# Altium PCB PCB1.PcbDoc (part 1 of 2) (continued)
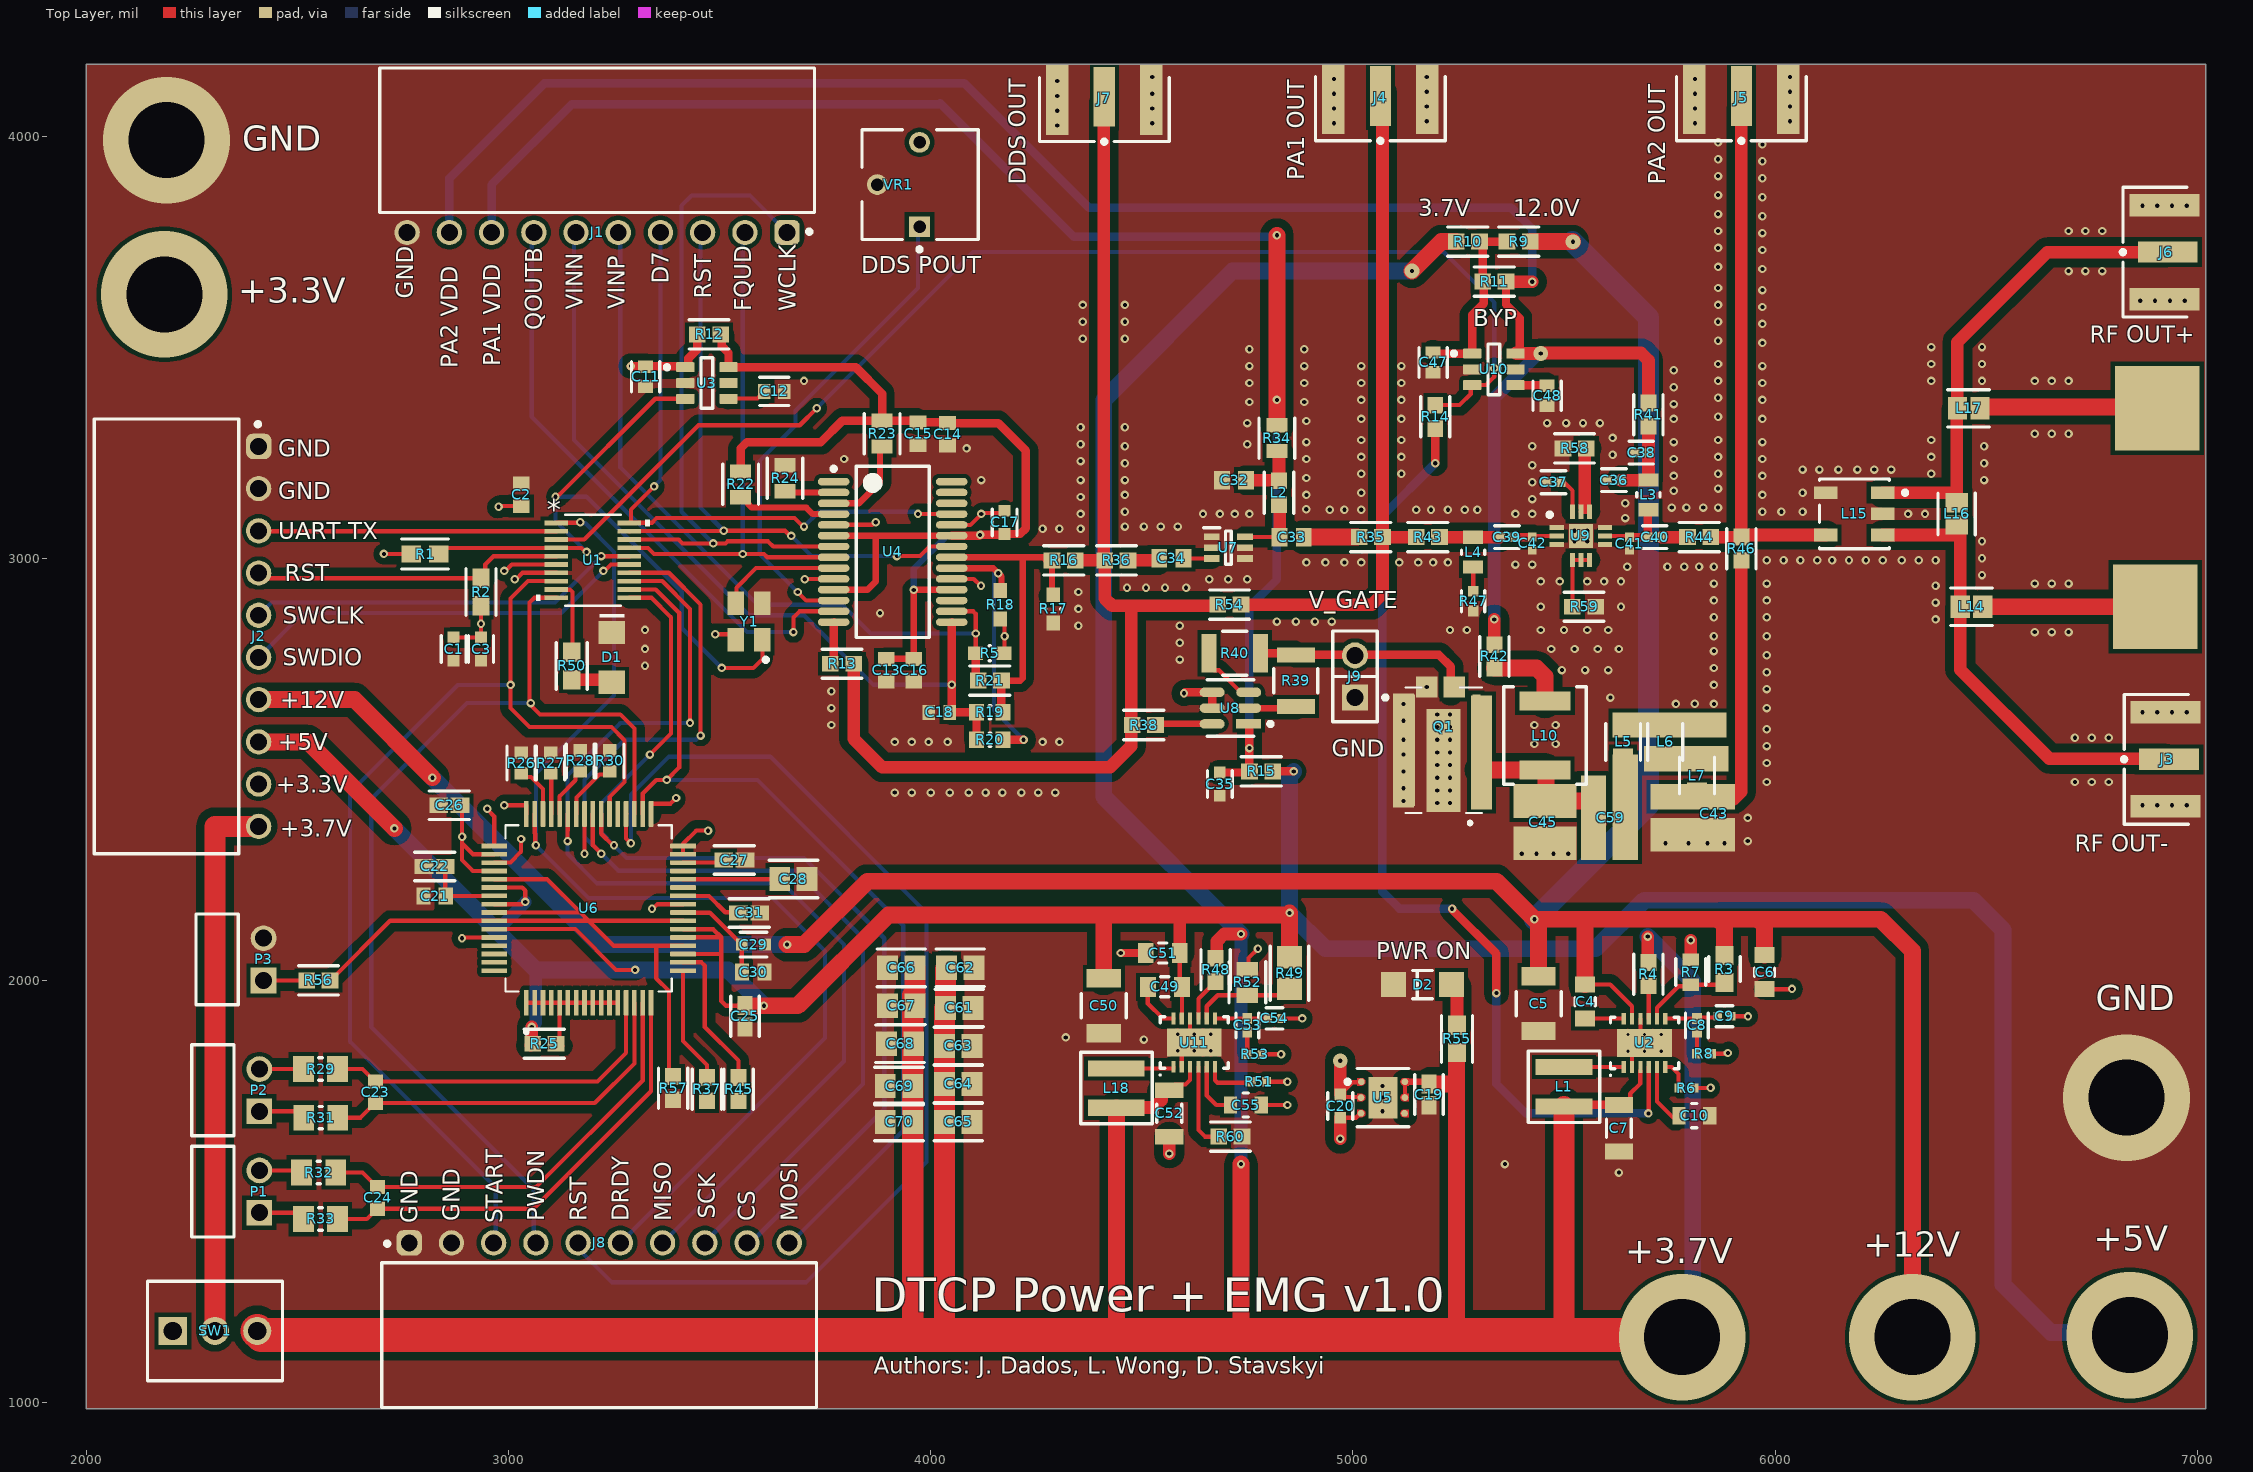
[diagram p0: Top Layer view]
## Components (designator, comment, footprint, x,y, rotation, side; value= is the part's Value field where it differs from the comment) (continued)
C65 "GRM21BR60J107ME15K" FP-GRM21B-0_2-e0_2_0_7-IPC_B 4065,1665 r0 top
C66 "GRM21BR60J107ME15K" FP-GRM21B-0_2-e0_2_0_7-IPC_B 3930,2030 r180 top
C67 "GRM21BR60J107ME15K" FP-GRM21B-0_2-e0_2_0_7-IPC_B 3930,1940 r180 top
C68 "GRM21BR60J107ME15K" FP-GRM21B-0_2-e0_2_0_7-IPC_B 3927.49,1850 r180 top
C69 "GRM21BR60J107ME15K" FP-GRM21B-0_2-e0_2_0_7-IPC_B 3925,1750 r180 top
C70 "GRM21BR60J107ME15K" FP-GRM21B-0_2-e0_2_0_7-IPC_B 3925,1665 r180 top
D1 "150120SS75000" WL-SMCW_1206_150120xx75000 3245,2765 r270 top
D2 "HSMG-C150" FP-HSMG-C150-MFG 5165,1990 r0 top
J1 "613010143121" 613010143121 3210,3990 r180 top
J2 "613010143121" 613010143121 2190,2815 r270 top
J3 "SMA-J-P-H-ST-EM1" FP-SMA-J-P-H-ST-EM1-MFG 7195.08,2523.78 r90 top
J4 "SMA-J-P-H-ST-EM1" FP-SMA-J-P-H-ST-EM1-MFG 5065,4357.2 r180 top
J5 "SMA-J-P-H-ST-EM1" FP-SMA-J-P-H-ST-EM1-MFG 5920,4357.2 r180 top
J6 "SMA-J-P-H-ST-EM1" FP-SMA-J-P-H-ST-EM1-MFG 7192.2,3725 r90 top
J7 "SMA-J-P-H-ST-EM1" FP-SMA-J-P-H-ST-EM1-MFG 4411.22,4355.08 r180 top
J8 "613010143121" 613010143121 3215,1160 r0 top
J9 "TSW-102-14-G-S" FP-TSW-102-14-G-S-MFG 5005,2720 r90 top
L1 "XAL4030-472MEC" FP-XAL4030-472MEC-MFG 5500,1748.35 r90 top
L2 "LQM18NNR82K00D" FP-LQM18NN_00-IPC_B 4825,3155 r90 top
L3 "0805LS-152XJEC" FP-LQW21HN_00-MFG 5700,3150 r90 top
L4 "LQW21HN1R5J00L" FP-LQW21HN_00-MFG 5285,3014.57 r90 top
L5 "LQW2BHN68NJ03L" FP-LQW2BHN_03-MFG 5640,2565 r90 top
L6 "LQW2BHN68NJ03L" FP-LQW2BHN_03-MFG 5740,2565 r270 top
L7 "LQW2BHN68NJ03L" FP-LQW2BHN_03-MFG 5815,2485 r270 top
L10 "1812PS-333_R_" FP-1812PS-MFG 5455,2580 r90 top
L14 "MLZ2012M1R0HTD25" FP-MLZ2012-1_25-IPC_C 6465,2885 r0 top
L15 "MABAES0060" FP-MABAES0060-MFG 6187.52,3105 r0 top
L16 "MLZ2012M1R0HTD25" FP-MLZ2012-1_25-IPC_C 6430,3105 r270 top
L17 "MLZ2012M1R0HTD25" FP-MLZ2012-1_25-IPC_C 6458.39,3355 r180 top
L18 "XAL4030-472MEC" FP-XAL4030-472MEC-MFG 4440,1745 r90 top
P1 "TSW-102-08-G-S-RA" SMTC-TSW-102-08-X-S-RA 2410,1450 r90 top
P2 "TSW-102-08-G-S-RA" SMTC-TSW-102-08-X-S-RA 2410,1690 r90 top
P3 "TSW-102-08-G-S-RA" SMTC-TSW-102-08-X-S-RA 2420,2000 r90 top
Q1 "GS61008P" TRANS_GS61008P 5215,2545 r270 top
R1 "ESR03EZPF3301" FP-ESR03-IPC_A 2802.44,3010 r0 top
R2 "ESR03EZPF3301" FP-ESR03-IPC_A 2935,2920 r270 top
R3 "CRCW06031M02FKEA" FP-CRCW0603-e3-IPC_A 5880,2027.1 r90 top
R4 "RMCF0603ZG0R00" FP-RMCF0603-IPC_B 5700,2015 r270 top
R5 "SR0603FR-7T100RL" FP-SR0603-MFG 4140,2775 r0 top value=100Ω
R6 "ERJ-2RKF5762X" RESC1005X40X25NL05T05 5790,1745 r180 top
R7 "CRCW0603113KFKEC" FP-CRCW0603-e3-MFG 5800,2019.53 r270 top
R8 "CRCW040286K6FKED" RESC1005X40X25NL05T05 5831.26,1826.26 r180 top
R9 "RMCF0603ZG0R00" FP-RMCF0603-IPC_B 5392.6,3750 r0 top
R10 "RMCF0603ZG0R00" FP-RMCF0603-IPC_B 5272.4,3750 r180 top
R11 "RMCF0603ZG0R00" FP-RMCF0603-IPC_B 5335,3655 r180 top
R12 "RMCF0603ZG0R00" FP-RMCF0603-IPC_B 3475,3530 r180 top
R13 "RMCF0603ZG0R00" FP-RMCF0603-IPC_B 3790,2750 r0 top
R14 "RMCF0603ZG0R00" FP-RMCF0603-IPC_B 5195,3335 r270 top
R15 "RMCF0603ZG0R00" FP-RMCF0603-IPC_B 4782.6,2495 r0 top
R16 "RMCF0603ZG0R00" FP-RMCF0603-IPC_B 4315,2995 r180 top
R17 "SR0603FR-7T100RL" FP-SR0603-MFG 4290,2880 r270 top value=100Ω
R18 "SR0603FR-7T100RL" FP-SR0603-MFG 4165,2890 r270 top value=100Ω
R19 "100K" RESC0603(1608)_N 4140,2635 r180 top value="100000.00 Ohm"
R20 "100K" RESC0603(1608)_N 4140,2570 r180 top value="100000.00 Ohm"
R21 "RMCF0603ZG0R00" FP-RMCF0603-IPC_B 4140,2710 r0 top
R22 "ESR10EZPJ820" FP-ESR10-IPC_C 3550,3175 r90 top
R23 "ESR10EZPJ820" FP-ESR10-IPC_C 3885,3295 r90 top
R24 "ESR10EZPJ820" FP-ESR10-IPC_C 3655,3189.41 r90 top
R25 "RMCF0603ZG0R00" FP-RMCF0603-IPC_B 3085,1850 r180 top
R26 "CRGCQ0603J10K" FP-CRGCQ0603-IPC_C 3030,2515 r90 top value=10KΩ
R27 "CRGCQ0603J10K" FP-CRGCQ0603-IPC_C 3100,2515 r90 top value=10KΩ
R28 "CRGCQ0603J10K" FP-CRGCQ0603-IPC_C 3170,2520 r90 top value=10KΩ
R29 "CRCW08055K00FKTA" RESC2013X50X30ML20T20 2555,1790 r0 top
R30 "CRGCQ0603J10K" FP-CRGCQ0603-IPC_C 3240,2520 r90 top value=10KΩ
R31 "CRCW08055K00FKTA" RESC2013X50X30ML20T20 2555.35,1675 r0 top
R32 "CRCW08055K00FKTA" RESC2013X50X30ML20T20 2550.35,1545 r0 top
R33 "CRCW08055K00FKTA" RESC2013X50X30ML20T20 2555,1435 r0 top
R34 "ESR10EZPJ240" FP-ESR10-IPC_C 4820,3284.41 r90 top
R35 "RMCF0603ZG0R00" FP-RMCF0603-IPC_B 5042.4,3050 r180 top
R36 "RMCF0603ZG0R00" FP-RMCF0603-IPC_B 4440,2995 r180 top
R37 "RMCF0603ZG0R00" FP-RMCF0603-IPC_B 3470,1742.4 r90 top
R38 "RMCF0603ZG0R00" FP-RMCF0603-IPC_B 4505,2605 r180 top
R39 "ESR25JZPF2R00" FP-ESR25-MFG 4865,2710 r90 top
R40 "ESR25JZPF2R00" FP-ESR25-MFG 4720,2775 r0 top
R41 "RMCF0603ZG0R00" FP-RMCF0603-IPC_B 5700,3340 r90 top
R42 "RMCF0603ZG0R00" FP-RMCF0603-IPC_B 5335,2767.4 r90 top
R43 "RMCF0603ZG0R00" FP-RMCF0603-IPC_B 5177.4,3050 r180 top
R44 "RMCF0603ZG0R00" FP-RMCF0603-IPC_B 5820,3050 r180 top
R45 "RMCF0603ZG0R00" FP-RMCF0603-IPC_B 3545,1742.4 r270 top
R46 "RMCF0603ZG0R00" FP-RMCF0603-IPC_B 5920,3022.6 r90 top
R47 "FCHP0402E50R0BBT1" FP-FC0402-MFG 5285,2898.5 r90 top
R48 "RMCF0603ZG0R00" FP-RMCF0603-IPC_B 4675,2025 r270 top
R49 "TFCR0805-10W-E-4222BT-1K" FP-TFCR0805-IPC_A 4850,2017.45 r90 top
R50 "CRCW0603220RFKEAHP" FP-CRCW0603-HPe3-IPC_A 3150,2745 r90 top
R51 "ERJ-2RKF5762X" RESC1005X40X25NL05T05 4777.28,1760 r180 top
R52 "CRGP0805F10K" FP-CRGP0805-IPC_C 4750,1995.55 r270 top value=10KΩ
R53 "CRCW040286K6FKED" RESC1005X40X25NL05T05 4767.28,1825 r180 top
R54 "RMCF0603ZG0R00" FP-RMCF0603-IPC_B 4707.6,2890 r180 top
R55 "CRCW0603220RFKEAHP" FP-CRCW0603-HPe3-IPC_A 5246.55,1861.62 r270 top
R56 "RMCF0603ZG0R00" FP-RMCF0603-IPC_B 2550,2000 r180 top
R57 "RMCF0603ZG0R00" FP-RMCF0603-IPC_B 3390,1745 r90 top
R58 "RMCF0603ZG0R00" FP-RMCF0603-IPC_B 5525,3260 r0 top
R59 "RMCF0603ZG0R00" FP-RMCF0603-IPC_B 5547.4,2885 r180 top
R60 "RMCF0603ZG0R00" FP-RMCF0603-IPC_B 4710,1630 r180 top
SW1 "TT11AGPC104" FP-TT11AGPC104-MFG 2305,1170 r0 top
U1 "MSPM0C1104SDGS20R" DGS0020A_TEX 3200,2995 r0 top
U2 "LTC3122EDE#PBF" LT-DE-UE-12_V 5690.79,1852.09 r90 top
U3 "TPS22810TDBVRQ1" FP-DBV0006A-MFG 3470,3415 r0 top
U4 "AD9850BRSZ-REEL" ADI-RS-28_N 3910,3015 r0 top
U5 "LD39200PU33R" FP-DFN6-7946637-MFG 5071.18,1722.6 r0 top
U6 "ADS1299-4PAG" QFP50P1200X1200X120-64N 3190,2170.79 r90 top
U7 "TQP369184" SOT65P210X110-6N 4705,3025 r0 top
U8 "UCC27511ADBVR" FP-DBV0006A-IPC_B 4710,2645 r180 top
U9 "PMA3-43-1W+" QFN51P300X300X89-13N 5539.92,3052.91 r0 top
U10 "TPS22810TDBVRQ1" FP-DBV0006A-MFG 5333.82,3447.4 r0 top
U11 "LTC3122EDE#PBF" LT-DE-UE-12_V 4624.21,1852.91 r90 top
VR1 "3362P-1-103LF" BOUR-3362P 3975,3885 r90 top
Y1 "830207044109" WE-SPXO_CFPS-39 3570,2850 r90 top

## Footprints (in the part's own frame and the unit in brackets; to place one, negate y for a bottom-side part, rotate by r counter-clockwise, add the part's x,y. Pads: shape width x height; smd on the part's side, far side on the other; paste and mask are expansions set on the pad)
613010143121 [mm] "Socket Header, Pitch 2.54 mm, THT, Angled, single row, 10p"
  rrect50% 1.52x1.52 hole 1.02: 1(-11.43,5.55)
  round 1.52 hole 1.02: 2(-8.89,5.55) 3(-6.35,5.55) 4(-3.81,5.55) 5(-1.27,5.55) 6(1.27,5.55) 7(3.81,5.55) 8(6.35,5.55) 9(8.89,5.55) 10(11.43,5.55)
  silkscreen extent -13.08,-4.35 13.08,5.62, body extent -12.95,-4.25 12.95,5.75, height 2.55
ADI-RS-28_N [mm] "SOP, 28-Leads, Body 10.2x5.3mm, Pitch 0.65mm, IPC Medium Density"
  oval 1.9x0.45 smd: 1(-3.55,4.225) 2(-3.55,3.575) 3(-3.55,2.925) 4(-3.55,2.275) 5(-3.55,1.625) 6(-3.55,0.975) 7(-3.55,0.325) 8(-3.55,-0.325) 9(-3.55,-0.975) 10(-3.55,-1.625) 11(-3.55,-2.275) 12(-3.55,-2.925) 13(-3.55,-3.575) 14(-3.55,-4.225) 15(3.55,-4.225) 16(3.55,-3.575) 17(3.55,-2.925) 18(3.55,-2.275) 19(3.55,-1.625) 20(3.55,-0.975) 21(3.55,-0.325) 22(3.55,0.325) 23(3.55,0.975) 24(3.55,1.625) 25(3.55,2.275) 26(3.55,2.925) 27(3.55,3.575) 28(3.55,4.225)
  silkscreen extent -3.67,-5.15 2.2,5.15, body extent -2.69,-5.17 2.69,5.17, height 1.98
BOUR-3362P [mm] "THD, 3-Leads, Body 6.6x6.99mm, Pitch 2.54mm"
  rect 1.25x1.25 hole 0.75: 1(-2.54,0.035)
  round 1.25 hole 0.75: 2(0,2.575) 3(2.54,0.035)
  silkscreen extent -4.02,-3.49 3.3,3.5, body extent -3.3,-3.49 3.3,3.49, height 4.95
CAPC1005X55X25LL05T10 [mm] "Chip Capacitor, 2-Leads, Body 1.00x0.50mm, IPC High Density"
  rect 0.56x0.52 smd: 1(-0.39,0) 2(0.39,0)
  body extent -0.53,-0.28 0.53,0.28, height 0.55
CAPC1206(3216)190_L [mm] "Chip Capacitor, Body 3.2x1.6mm, Height 1.9mm, IPC High Density"
  rect 0.95x1.7 smd: 1(-1.4,0) 2(1.4,0)
  silkscreen extent -0.55,-0.75 0.55,0.75, body extent -1.7,-0.9 1.7,0.9, height 1.9
CAPC1608X90X35LL15T15 [mm] "Chip Capacitor, 2-Leads, Body 1.60x0.81mm, IPC High Density"
  rect 0.85x0.9 smd: 1(-0.65,0) 2(0.65,0)
  body extent -0.88,-0.48 0.87,0.48, height 0.9
CAPC1608X92X38LL15T08 [mm] "Chip Capacitor, 2-Leads, Body 1.60x0.80mm, IPC High Density"
  rect 0.75x0.9 smd: 1(-0.625,0) 2(0.625,0)
  body extent -0.87,-0.48 0.87,0.48, height 0.92
CAPC1608X92X38ML15T08 [mm] "Chip Capacitor, 2-Leads, Body 1.60x0.80mm, IPC Low Density"
  rect 0.95x1.1 smd: 1(-0.725,0) 2(0.725,0)
  body extent -0.87,-0.48 0.87,0.47, height 0.92
CAPC1608X92X38NL15T08 [mm] "Chip Capacitor, 2-Leads, Body 1.60x0.80mm, IPC Medium Density"
  rect 0.85x1 smd: 1(-0.675,0) 2(0.675,0)
  body extent -0.87,-0.48 0.87,0.47, height 0.92
DGS0020A_TEX [mil]
  rect 56x11 smd paste+0 mask+0: 1(-86.5,88.58) 2(-86.5,68.9) 3(-86.5,49.21) 4(-86.5,29.53) 5(-86.5,9.84) 6(-86.5,-9.84) 7(-86.5,-29.53) 8(-86.5,-49.21) 9(-86.5,-68.9) 10(-86.5,-88.58) 11(86.5,-88.58) 12(86.5,-68.9) 13(86.5,-49.21) 14(86.5,-29.53) 15(86.5,-9.84) 16(86.5,9.84) 17(86.5,29.53) 18(86.5,49.21) 19(86.5,68.9) 20(86.5,88.58)
  silkscreen extent -134,-108 134,108, body extent -101,-103 101,103, height 43
FP-1812PS-MFG [mm]
  rect 1.14x3.05 smd paste+0 mask+0: 1(-2.07,0) 2(2.07,0)
  silkscreen extent -2.94,-2.49 2.94,2.49, body extent -3.04,-2.59 3.04,2.59, height 0.25
FP-C0402-BB-MFG [mm]
  rect 0.52x0.52 smd paste+0 mask+0: 1(-0.4,0) 2(0.4,0)
  silkscreen extent -0.5,-0.64 0.5,0.64, body extent -0.8,-0.4 0.8,0.4, height 0.25
FP-C0603C106M8PACTU-MFG [mm]
  rect 0.75x0.9 smd paste+0 mask+0: 1(-0.6,0) 2(0.6,0)
  silkscreen extent -0.9,-0.85 0.9,0.85, body extent -1.2,-0.6 1.2,0.6, height 0.25
FP-C0603C-CF-MFG [mm]
  rect 0.75x0.9 smd paste+0 mask+0: 1(-0.6,0) 2(0.6,0)
  silkscreen extent -0.87,-0.85 0.88,0.85, body extent -1.2,-0.6 1.2,0.6, height 0.25
FP-C1005-050-0_05-IPC_B [mil]
  rect 25.17x22.54 smd paste+0 mask+0: 1(-16.4,0) 2(16.4,0)
  silkscreen extent -29,-27 29,27, body extent -35,-17 35,17, height 10
FP-C1608-080-0_1-IPC_B [mil]
  rect 44.53x35.91 smd paste+0 mask+0: 1(-25.22,0) 2(25.22,0)
  silkscreen extent -47,-34 47,34, body extent -57,-28 57,28, height 10
FP-C1608-080-0_1-MFG [mm]
  rect 0.7x0.7 smd paste+0 mask+0: 1(-0.7,0) 2(0.7,0)
  silkscreen extent -0.8,-0.75 0.8,0.75, body extent -1.15,-0.55 1.15,0.55, height 0.25
FP-C2012-125-0_2-MFG [mm]
  rect 0.8x1.05 smd paste+0 mask+0: 1(-0.925,0) 2(0.925,0)
  silkscreen extent -0.15,-0.72 0.15,0.72, body extent -1.43,-0.82 1.43,0.82, height 0.25
FP-CGA3E-0_3-0_1-IPC_A [mm]
  rect 0.956x1.206 smd paste+0 mask+0: 1(-1.025,0) 2(1.025,0)
  silkscreen extent -0.25,-0.6 0.25,0.6, body extent -2,-1.1 2,1.1, height 0.25
FP-CRCW0603-e3-IPC_A [mil]
  rect 44.69x41.82 smd paste+0 mask+0: 1(-32.1,0) 2(32.1,0)
  silkscreen extent -30,-37 30,37, body extent -74,-41 74,41, height 10
FP-CRCW0603-e3-MFG [mm]
  rect 0.75x1 smd paste+0 mask+0: 1(-0.75,0) 2(0.75,0)
  silkscreen extent -0.8,-0.9 0.8,0.9, body extent -1.22,-0.6 1.22,0.6, height 0.25
FP-CRCW0603-HPe3-IPC_A [mil]
  rect 45.6x41.82 smd paste+0 mask+0: 1(-32.56,0) 2(32.56,0)
  silkscreen extent -55,-37 55,37, body extent -75,-41 75,41, height 10
FP-CRGCQ0603-IPC_C [mil]
  rect 29.85x31.97 smd paste+0 mask+0: 1(-24.68,0) 2(24.68,0)
  silkscreen extent -40,-33 40,33, body extent -44,-22 44,22, height 10
FP-CRGP0805-IPC_C [mil]
  rect 35.67x51.57 smd paste+0 mask+0: 1(-30.55,0) 2(30.55,0)
  silkscreen extent -48,-43 48,43, body extent -52,-31 52,31, height 10
FP-DBV0006A-IPC_B [mm]
  rect 1.505x0.57 smd paste+0 mask+0: 1(-1.1,0.95)
  rrect100% 1.505x0.57 smd paste+0 mask+0: 2(-1.1,0) 3(-1.1,-0.95) 4(1.1,-0.95) 5(1.1,0) 6(1.1,0.95)
  silkscreen extent -2.53,-1.7 1.4,1.7, body extent -2.1,-1.7 2.1,1.7, height 0.25
FP-DBV0006A-MFG [mm]
  rrect17% 1.1x0.6 smd paste+0 mask+0: 1(-1.3,0.95) 2(-1.3,0) 3(-1.3,-0.95) 4(1.3,-0.95) 5(1.3,0) 6(1.3,0.95)
  silkscreen extent -2.52,-1.53 0.35,1.53, body extent -1.95,-1.78 1.95,1.78, height 0.25
FP-DFN6-7946637-MFG [mm]
  round 0.405 smd paste+0 mask+0: 1(-1.3,0.95) 2(-1.321,0) 3(-1.321,-0.95) 4(1.3,-0.95) 5(1.321,0) 6(1.321,0.95)
  rect 1.75x2.5 smd paste+0 mask+0: 7(0,0)
  Top Layer region: 1.55,0.725 1.275,0.725 1.189,0.742 1.116,0.791 1.067,0.864 1.05,0.95 1.05,0.95 1.067,1.036 1.116,1.109 1.189,1.158 1.275,1.175 1.275,1.175 1.55,1.175
  Top Layer region: 1.55,-0.225 1.275,-0.225 1.189,-0.208 1.116,-0.159 1.067,-0.086 1.05,0 1.05,0 1.067,0.086 1.116,0.159 1.189,0.208 1.275,0.225 1.275,0.225 1.55,0.225
  Top Layer region: 1.55,-1.175 1.275,-1.175 1.189,-1.158 1.116,-1.109 1.067,-1.036 1.05,-0.95 1.05,-0.95 1.067,-0.864 1.116,-0.791 1.189,-0.742 1.275,-0.725 1.275,-0.725 1.55,-0.725
  Top Layer region: -1.55,-0.725 -1.275,-0.725 -1.189,-0.742 -1.116,-0.791 -1.067,-0.864 -1.05,-0.95 -1.05,-0.95 -1.067,-1.036 -1.116,-1.109 -1.189,-1.158 -1.275,-1.175 -1.275,-1.175 -1.55,-1.175
  Top Layer region: -1.55,0.225 -1.275,0.225 -1.189,0.208 -1.116,0.159 -1.067,0.086 -1.05,0 -1.05,0 -1.067,-0.086 -1.116,-0.159 -1.189,-0.208 -1.275,-0.225 -1.275,-0.225 -1.55,-0.225
  Top Layer region: -1.55,1.175 -1.275,1.175 -1.189,1.158 -1.116,1.109 -1.067,1.036 -1.05,0.95 -1.05,0.95 -1.067,0.864 -1.116,0.791 -1.189,0.742 -1.275,0.725 -1.275,0.725 -1.55,0.725
  silkscreen extent -2.25,-1.75 1.55,1.75, body extent -1.65,-1.65 1.65,1.65, height 0.25
FP-ESR03-IPC_A [mil]
  rect 45.6x39.85 smd paste+0 mask+0: 1(-32.56,0) 2(32.56,0)
  silkscreen extent -55,-36 55,36, body extent -75,-40 75,40, height 10
FP-ESR10-IPC_C [mil]
  rect 33.79x49.69 smd paste+0 mask+0: 1(-30.59,0) 2(30.59,0)
  silkscreen extent -47,-42 47,42, body extent -51,-31 51,31, height 10
FP-ESR25-MFG [mm]
  rect 0.9x2.3 smd paste+0 mask+0: 1(-1.55,0) 2(1.55,0)
  silkscreen extent -0.72,-1.33 0.72,1.33, body extent -2.1,-1.43 2.1,1.43, height 0.25
FP-FC0402-MFG [mm]
  rect 0.635x0.61 smd paste+0 mask+0: 1(-0.597,0) 2(0.597,0)
  silkscreen extent -0.64,-0.7 0.64,0.7, body extent -1.01,-0.44 1.01,0.44, height 0.25
FP-GRM21B-0_2-e0_2_0_7-IPC_B [mil]
  rect 49.4x57.33 smd paste+0 mask+0: 1(-32.51,0) 2(32.51,0)
  silkscreen extent -57,-44 57,44, body extent -67,-39 67,39, height 10
FP-GRM32-MFG [mm]
  rect 1.1x2.05 smd paste+0 mask+0: 1(-1.65,0) 2(1.65,0)
  silkscreen extent -0.72,-1.35 0.72,1.35, body extent -2.3,-1.45 2.3,1.45, height 0.25
FP-GRM155-0_05-IPC_B [mil]
  rect 24.23x22.54 smd paste+0 mask+0: 1(-16.87,0) 2(16.87,0)
  silkscreen extent -29,-27 29,27, body extent -35,-17 35,17, height 10
FP-HSMG-C150-MFG [mm]
  rect 1.5x1.5 smd paste+0 mask+0: 1(-1.75,0) 2(1.75,0)
  silkscreen extent -0.6,-0.85 0.6,0.85, body extent -2.6,-0.95 2.6,0.95, height 0.25
FP-LQM18NN_00-IPC_B [mil]
  rect 39.63x37.73 smd paste+0 mask+0: 1(-28.58,0) 2(28.58,0)
  silkscreen extent -48,-35 48,35, body extent -58,-29 58,29, height 10
FP-LQW2BHN_03-MFG [mm]
  rect 1.1x1.2 smd paste+0 mask+0: 1(-0.95,0) 2(0.95,0)
  silkscreen extent -1.1,-1.05 1.1,1.05, body extent -1.6,-0.95 1.6,0.95, height 0.25
FP-LQW21HN_00-MFG [mm]
  rect 0.8x1.2 smd paste+0 mask+0: 1(-0.9,0) 2(0.9,0)
  silkscreen extent -0.13,-0.7 0.13,0.7, body extent -1.4,-0.8 1.4,0.8, height 0.25
FP-MABAES0060-MFG [mm]
  rect 1.4x0.76 smd paste+0 mask+0: 1(1.715,1.27) 2(1.715,0) 3(1.715,-1.27) 4(-1.715,-1.27) 5(-1.715,1.27)
  silkscreen extent -2.09,-2.09 3.18,2.09, body extent -2.51,-2.19 2.51,2.19, height 0.25
FP-MLZ2012-1_25-IPC_C [mil]
  rect 45.45x53.39 smd paste+0 mask+0: 1(-26.61,0) 2(26.61,0)
  silkscreen extent -49,-44 49,44, body extent -53,-32 53,32, height 10
FP-RMCF0603-IPC_B [mil]
  rect 39.61x37.73 smd paste+0 mask+0: 1(-27.6,0) 2(27.6,0)
  silkscreen extent -47,-35 47,35, body extent -57,-29 57,29, height 10
FP-SMA-J-P-H-ST-EM1-MFG [mm]
  rect 1.27x3.6 smd paste+0 mask+0: 1(0,6.66)
  rect 1.35x4.2 smd paste+0 mask+0: 2(-2.825,6.86) 3(2.825,6.86)
  rect 1.35x4.2 smd far side paste+0 mask+0: 4(-2.825,6.86) 5(2.825,6.86)
  silkscreen extent -3.9,5.5 3.9,9.48, body extent -3.6,-4.92 3.6,9.06, height 0.25
FP-SR0603-MFG [mm]
  rect 0.9x0.8 smd paste+0 mask+0: 1(-0.85,0) 2(0.85,0)
  silkscreen extent -0.03,-0.45 0.03,0.45, body extent -1.4,-0.55 1.4,0.55, height 0.25
FP-TFCR0805-IPC_A [mil]
  rect 53.38x59.38 smd paste+0 mask+0: 1(-37.45,0) 2(37.45,0)
  silkscreen extent -64,-45 64,45, body extent -84,-49 84,49, height 10
FP-TSW-102-14-G-S-MFG [mm]
  rect 1.57x1.57 hole 1.02 paste-1000 mask+0: 1(-1.27,0)
  round 1.57 hole 1.02 paste-1000 mask+0: 2(1.27,0)
  silkscreen extent -2.73,-1.95 2.73,1.34, body extent -2.83,-1.44 2.83,1.44, height 0.25
FP-TT11AGPC104-MFG [mm]
  rect 1.69x1.69 hole 1.09 paste-2539.97 mask+0: 1(-2.54,0)
  round 1.69 hole 1.09 paste-2539.97 mask+0: 2(0,0) 3(2.54,0)
  silkscreen extent -4.07,-3 4.07,3, body extent -4.17,-3.1 4.17,3.1, height 0.25
FP-XAL4030-472MEC-MFG [mm]
  rect 0.98x3.4 smd paste+0 mask+0: 1(-1.185,0) 2(1.185,0)
  silkscreen extent -2.15,-2.15 2.15,2.15, body extent -2.25,-2.25 2.25,2.25, height 0.25
LT-DE-UE-12_V [mm] "SON, 12-Leads, Body 4x3mm, Pitch 0.5mm, Thermal Pad 3.3x1.7mm"
  rect 0.7x0.25 smd: 1(-1.45,1.25) 2(-1.45,0.75) 3(-1.45,0.25) 4(-1.45,-0.25) 5(-1.45,-0.75) 6(-1.45,-1.25) 7(1.45,-1.25) 8(1.45,-0.75) 9(1.45,-0.25) 10(1.45,0.25) 11(1.45,0.75) 12(1.45,1.25)
  rect 1.7x3.3 smd: 13(0,0)
  silkscreen extent -2,-2.05 1.55,2.1, body extent -1.5,-2 1.5,2, height 0.8
QFN51P300X300X89-13N [mm]
  rect 0.85x0.3 smd: 1(-1.45,0.51) 2(-1.45,0) 3(-1.45,-0.51) 7(1.45,-0.51) 8(1.45,0) 9(1.45,0.51)
  rect 0.3x0.85 smd: 4(-0.51,-1.45) 5(0,-1.45) 6(0.51,-1.45) 10(0.51,1.45) 11(0,1.45) 12(-0.51,1.45)
  rect 1.45x1.45 smd: 13(0,0)
  silkscreen extent -2,1.15 -1.75,1.4, body extent -1.5,-1.5 1.5,1.5, height 0.89
QFP50P1200X1200X120-64N [mm]
  rrect25% 1.56x0.28 smd: 1(-5.68,3.75) 2(-5.68,3.25) 3(-5.68,2.75) 4(-5.68,2.25) 5(-5.68,1.75) 6(-5.68,1.25) 7(-5.68,0.75) 8(-5.68,0.25) 9(-5.68,-0.25) 10(-5.68,-0.75) 11(-5.68,-1.25) 12(-5.68,-1.75) 13(-5.68,-2.25) 14(-5.68,-2.75) 15(-5.68,-3.25) 16(-5.68,-3.75) 33(5.68,-3.75) 34(5.68,-3.25) 35(5.68,-2.75) 36(5.68,-2.25) 37(5.68,-1.75) 38(5.68,-1.25) 39(5.68,-0.75) 40(5.68,-0.25) 41(5.68,0.25) 42(5.68,0.75) 43(5.68,1.25) 44(5.68,1.75) 45(5.68,2.25) 46(5.68,2.75) 47(5.68,3.25) 48(5.68,3.75)
  rrect25% 0.28x1.56 smd: 17(-3.75,-5.68) 18(-3.25,-5.68) 19(-2.75,-5.68) 20(-2.25,-5.68) 21(-1.75,-5.68) 22(-1.25,-5.68) 23(-0.75,-5.68) 24(-0.25,-5.68) 25(0.25,-5.68) 26(0.75,-5.68) 27(1.25,-5.68) 28(1.75,-5.68) 29(2.25,-5.68) 30(2.75,-5.68) 31(3.25,-5.68) 32(3.75,-5.68) 49(3.75,5.68) 50(3.25,5.68) 51(2.75,5.68) 52(2.25,5.68) 53(1.75,5.68) 54(1.25,5.68) 55(0.75,5.68) 56(0.25,5.68) 57(-0.25,5.68) 58(-0.75,5.68) 59(-1.25,5.68) 60(-1.75,5.68) 61(-2.25,5.68) 62(-2.75,5.68) 63(-3.25,5.68) 64(-3.75,5.68)
  silkscreen extent -7.54,-5 5,5, body extent -6,-6 6,6, height 1.2
RESC0603(1608)_N [mm] "Chip Resistor, Body 1.6x0.8mm, IPC Medium Density"
  rect 0.9x1 smd: 1(-0.8,0) 2(0.8,0)
  silkscreen extent -0.05,-0.4 0.05,0.4, body extent -0.85,-0.47 0.85,0.47, height 0.6
RESC1005X40X25NL05T05 [mm] "Chip Resistor, 2-Leads, Body 1.00x0.50mm, IPC Medium Density"
  rect 0.55x0.55 smd: 1(-0.45,0) 2(0.45,0)
  body extent -0.53,-0.27 0.53,0.28, height 0.4
RESC2013X50X30ML20T20 [mm] "Chip Resistor, 2-Leads, Body 2.00x1.25mm, IPC Low Density"
  rect 1.25x1.55 smd: 1(-1.025,0) 2(1.025,0)
  silkscreen extent -0.1,-0.67 0.1,0.67, body extent -1.1,-0.72 1.1,0.72, height 0.5
SMTC-TSW-102-08-X-S-RA [mm] ".025 SQ Post Terminal Strip Assembly, 1x2 Pins, Right Angle, 2.54mm Pitch, Male"
  rect 1.55x1.55 hole 1.02: 1(0,0)
  round 1.55 hole 1.02: 2(2.54,0)
  silkscreen extent -1.46,1.52 4,4.06, body extent -1.27,-0.32 3.81,9.9, height 3.05
SOT65P210X110-6N [mm]
  rect 0.95x0.4 smd: 1(-1,0.65) 2(-1,0) 3(-1,-0.65) 4(1,-0.65) 5(1,0) 6(1,0.65)
  silkscreen extent -1.48,-1 0.18,1.2
TRANS_GS61008P [mm]
  rect 6.7x0.5 smd: 1(0,1.97) 4(0,-1.97)
  rect 0.5x0.5 smd: 2(-3.45,0.43) 3(-3.45,-0.77)
  rect 6.2x2.04 smd paste-4: 5(0.6,0)
  silkscreen extent -3.77,-2.29 4.47,2.29, body extent -3.77,-2.29 3.77,2.29, height 0.59
WE-SPXO_CFPS-39 [mm] "Simple Packaged Quartz Oscillator, body 3.2x2.5mm"
  rect 1.4x1 smd: 1(-1.1,-0.8) 2(1.1,-0.8) 3(1.1,0.8) 4(-1.1,0.8)
  silkscreen extent -2.42,-1.13 -2.18,-0.88, body extent -1.6,-1.25 1.6,1.25, height 1.05
WL-SMCW_1206_150120xx75000 [mm] "SMD Mono-color Chip LED, body 3.2x1.6mm"
  rect 1.4x1.6 smd: 1(-1.5,0) 2(1.5,0)
  silkscreen extent -2.6,-0.75 -2.4,0.75, body extent -1.6,-0.8 1.6,0.8, height 0.68
